# Altium PCB Sensors_PCB.PcbDoc
Units mm, origin at the board's own origin, x right, y up, seen from the top; angles counter-clockwise.
Board outline 83.19 x 60.96 mm, 2 copper layers (Top Layer, Bottom Layer); 5 components, 7 nets, 26 pads, 2 vias.
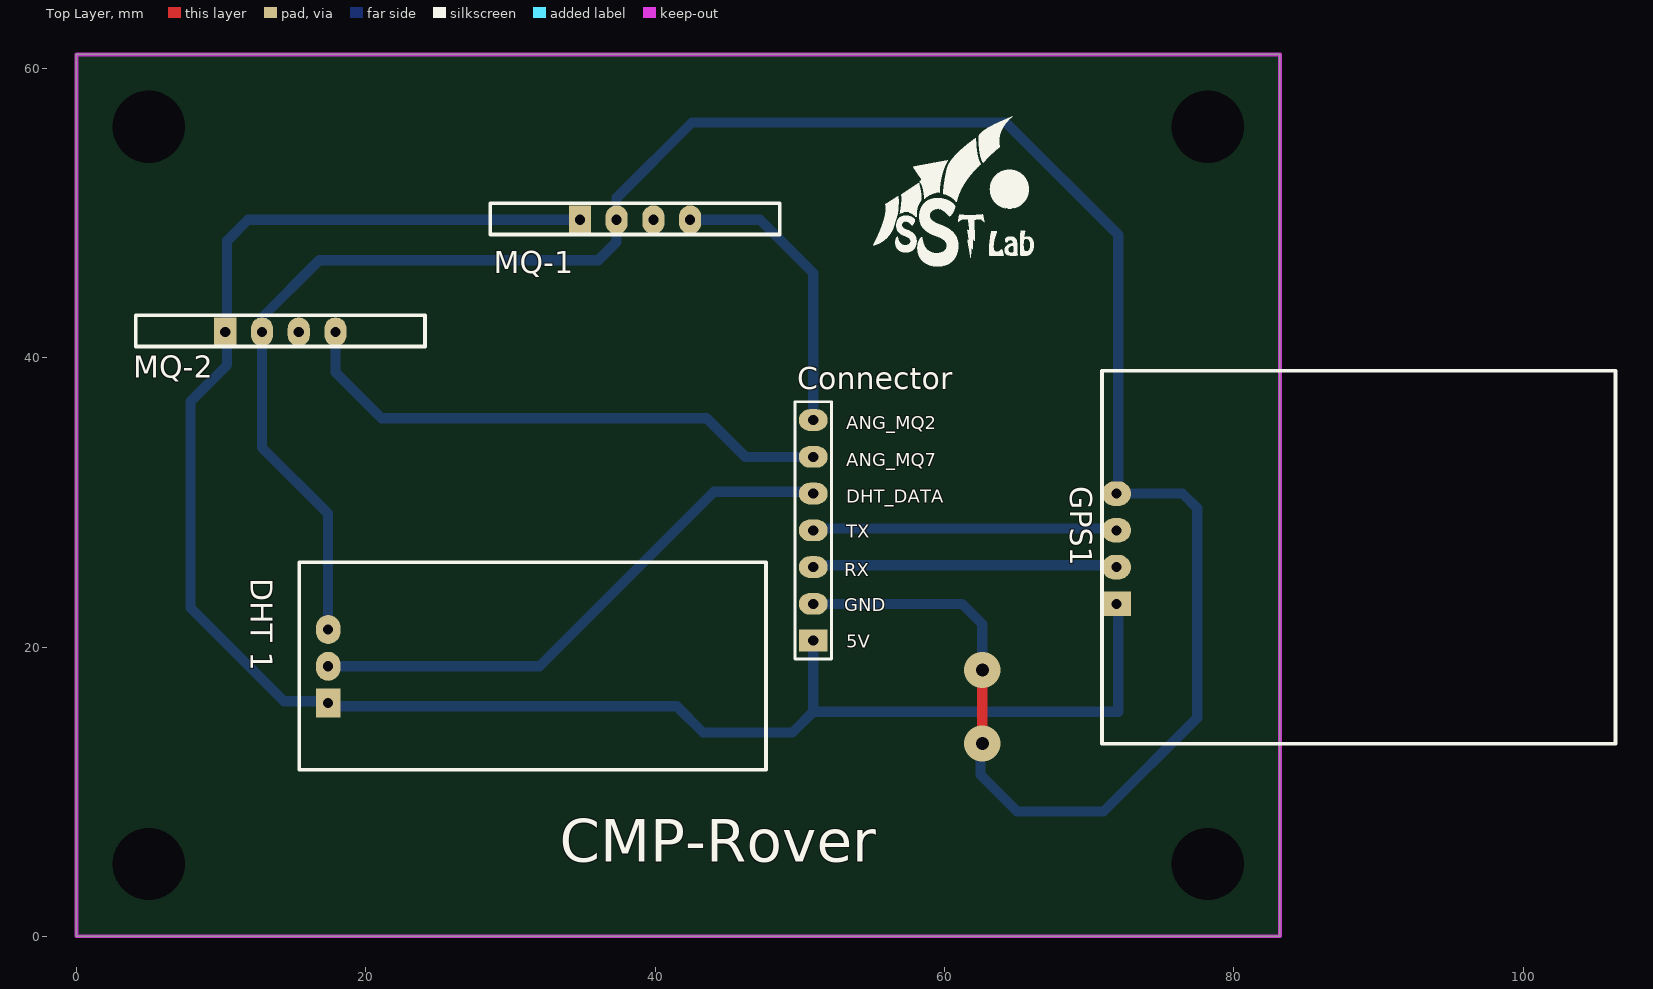
[diagram p0: Top Layer view]
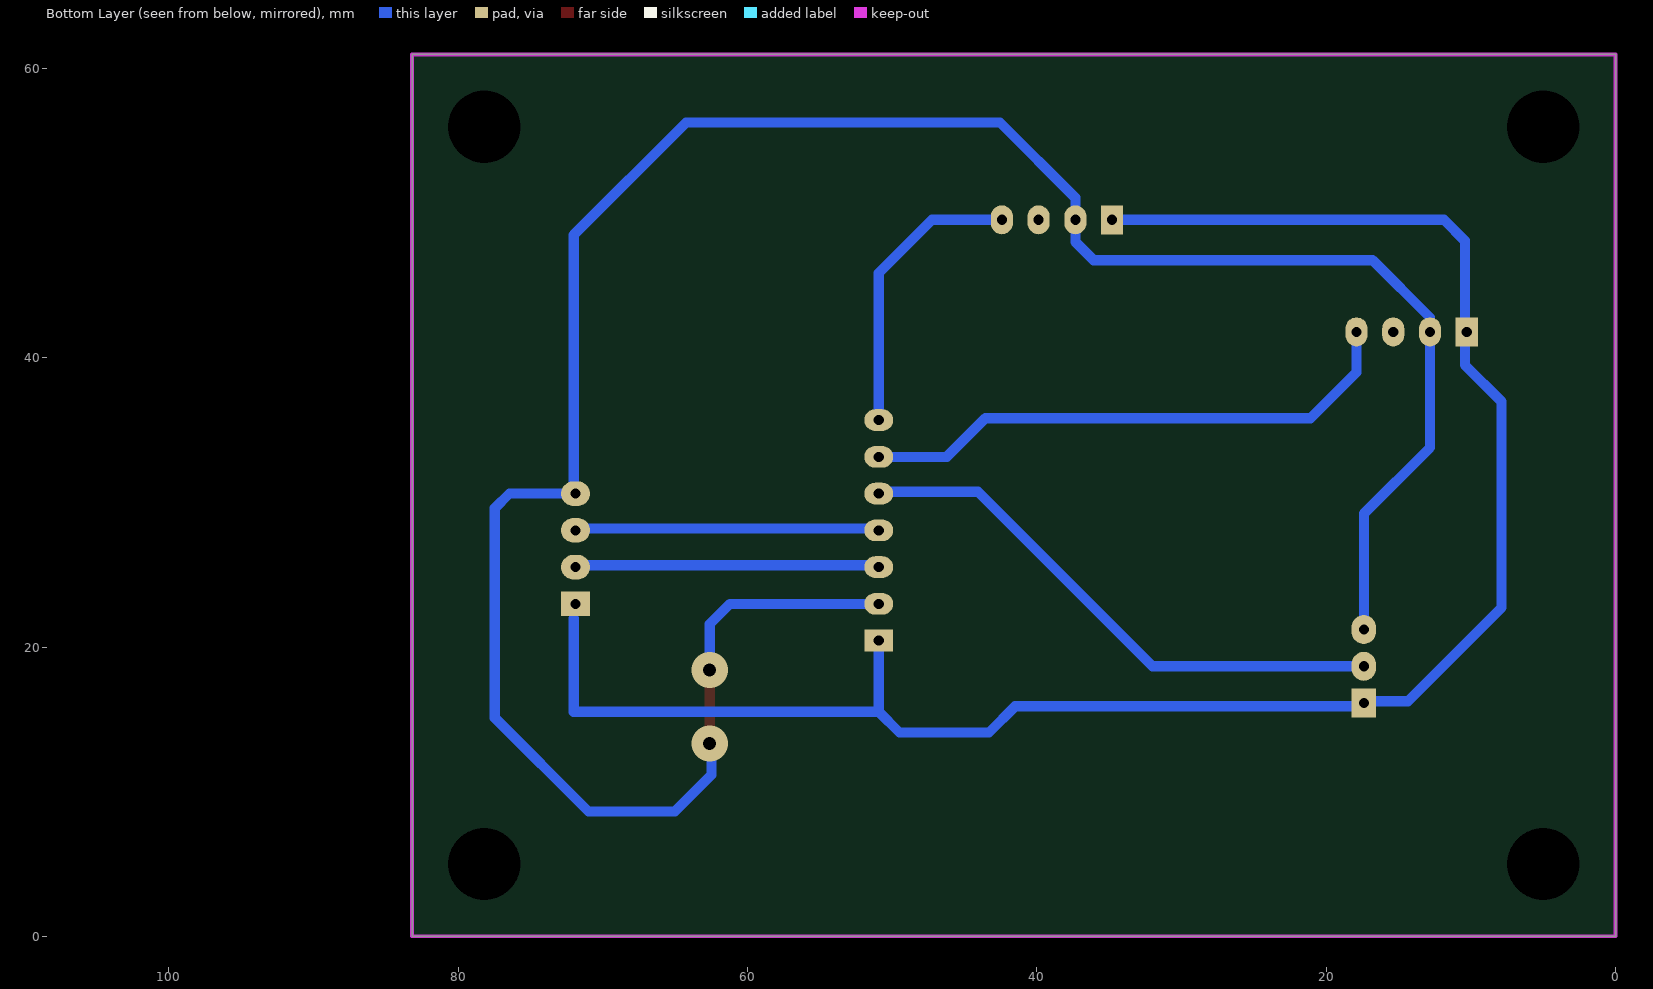
[diagram p1: Bottom Layer view, seen from below]

## Layer stack, top to bottom
Top Solder: solder mask 0.0102, Solder Resist, Dk 3.5
Top Layer: signal copper 0.0356
Dielectric 1: dielectric 0.32, FR-4, Dk 4.8
Bottom Layer: signal copper 0.0356
Bottom Solder: solder mask 0.0102, Solder Resist, Dk 3.5

## Board outline
0,0 0,60.96 83.185,60.96 83.185,0

## Design rules (kind name [scope] priority, off if disabled: settings)
Clearance [All] p1: gap=0.254 ignorepadtopadclearanceinfootprint=FALSE except(0: Arc-Hole Track-Hole SMDPad-Hole THPad-Hole Via-Hole Fill-Hole Poly-Hole Region-Hole Text-Hole; 0.5: Arc-Arc Arc-Track Arc-SMDPad Arc-THPad Track-Track Track-SMDPad Track-THPad)
Height [All] p1: minheight=0 maxheight=100 prefheight=12.7
PolygonConnect [All] p1: connectstyle=Relief reliefconductorwidth=0.254 reliefentries=4 polygonreliefangle="90 Angle" airgapwidth=0.254
RoutingVias [All] p1: holewidth=0.711 width=1.27 viastyle="Through Hole" minholewidth=0.711 minwidth=1.27 maxholewidth=0.711 maxwidth=1.27
SolderMaskExpansion [All] p1: expansion=0.102
Width [All] p1: maxlimit=1 minlimit=0.5 preferedwidth=0.7 minimp=50.000000 maximp=50.000000 favimp=50.000000
29 further rules are at their usual default settings.

## Components (designator, comment, footprint, x,y, rotation, side; value= is the part's Value field where it differs from the comment)
Connector "Header 7" HDR1X7 50.927,20.447 r90 top (schematic designator P?)
"DHT 1" "DHT" DHT 15.399,11.519 r180 top
GPS1 "GPS" GPS 70.882,39.107 r90 top
MQ-1 "MQ-7" "MQ-7 Up" 38.608,49.53 r0 top
MQ-2 "MQ-7" "MQ-7 Up" 14.097,41.783 r0 top

## Footprints (in the part's own frame and the unit in brackets; to place one, negate y for a bottom-side part, rotate by r counter-clockwise, add the part's x,y. Pads: shape width x height; smd on the part's side, far side on the other; paste and mask are expansions set on the pad)
DHT [mm]
  rect 1.7x2 hole 0.7: 9(-2,-4.61)
  oval 1.7x2 hole 0.7: 10(-2,-7.15) 11(-2,-9.69)
  silkscreen extent -32.26,-14.35 0,0, body extent -22.1,-14.73 5.59,1.27, height 6.46
GPS [mm]
  rect 1.7x2 hole 0.7: 12(-16.12,-1)
  oval 1.7x2 hole 0.7: 13(-13.58,-1) 14(-11.04,-1) 15(-8.5,-1)
  silkscreen extent -25.8,-35.5 0,0, body extent -25.02,-47.98 13.71,-0.13, height 25.61
HDR1X7 [mm] "Connector; Header; 7 Position"
  rect 1.5x2 hole 0.7: 1(0,0)
  oval 1.5x2 hole 0.7: 2(2.54,0) 3(5.08,0) 4(7.62,0) 5(10.16,0) 6(12.7,0) 7(15.24,0)
  silkscreen extent -1.27,-1.27 16.51,1.27
"MQ-7 Up" [mm]
  rect 1.524x2 hole 0.7: 43(-3.81,0)
  oval 1.524x2 hole 0.7: 44(-1.27,0) 45(1.27,0) 46(3.81,0)
  silkscreen extent -10,-1.02 10,1.14, body extent -11.18,-0.88 11.12,15.62, height 32.75

## Part data
Connector: "Header, 7-Pin", LatestRevisionDate=17-Jul-2002, LatestRevisionNote="Re-released for DXP Platform.", Publisher="Altium Limited"

## Free pads (board coordinates)
  round 1.524 hole 5: 3(5,5) 3(5,55.96) 3(78.185,5) 3(78.185,55.96)

## Via types
v1: diameter 2.5, hole 0.9, Top Layer to Bottom Layer, 2 vias

## Nets (pads, with @x,y where several pads share a name; then routed paths per layer and width w, separated by ;. In a path a pad name is that pad's centre, name@x,y a point inside that pad or via, vN(x,y) a via of type N, cw(c..) or ccw(c..) an arc to the next point about the centre after c; other vN are vias at no path point)
5: "DHT 1.9" Connector.1 GPS1.12 MQ-1.43 MQ-2.43 | length 131
  Bottom Layer w0.7: MQ-2.43 10.414,41.783 10.414,48.082 11.862,49.53 MQ-1.43 ; MQ-2.43@10.414,41.402 10.414,39.497 7.874,36.957 7.874,22.733 14.351,16.256 17.399,16.256 17.653,16.51 ; 17.399,15.907 41.497,15.907 43.307,14.097 49.498,14.097 50.927,15.526 ; Connector.1 50.927,15.526 ; 72.009,21.971 72.009,15.526 50.927,15.526
ANG_MQ2: Connector.7 MQ-1.46 | length 20.2
  Bottom Layer w0.7: MQ-1.46 47.244,49.53 50.927,45.847 Connector.7
ANG_MQ7: Connector.6 MQ-2.46 | length 38.2
  Bottom Layer w0.7: MQ-2.46 17.907,38.989 21.082,35.814 43.561,35.814 46.228,33.147 Connector.6
DHT_DATA: "DHT 1.10" Connector.5 | length 38.5
  Bottom Layer w0.7: 17.399,18.669 32.004,18.669 44.069,30.734 Connector.5@50.927,30.734
GND: "DHT 1.11" Connector.2 GPS1.15 MQ-1.44 MQ-2.44 | length 172.7
  Top Layer w0.7: v1@62.484,18.288 v1(62.611,18.415) v1(62.611,13.335)
  Bottom Layer w0.7: 17.399,21.209 17.399,29.21 12.827,33.782 MQ-2.44 12.827,42.774 16.789,46.736 36.068,46.736 37.338,48.006 MQ-1.44 37.338,51.054 42.545,56.261 64.237,56.261 72.009,48.489 GPS1.15@72.009,30.607 ; Connector.2 61.214,22.987 62.611,21.59 v1(62.611,18.415) ; v1@62.484,12.827 62.484,11.176 65.024,8.636 70.993,8.636 77.47,15.113 77.47,27.559 77.47,29.591 76.454,30.607 GPS1.15@72.009,30.607 ; GPS1.15 GPS1.15@72.009,30.607
RX: Connector.3 GPS1.13 | length 21
  Bottom Layer w0.7: Connector.3@50.927,25.654 GPS1.13@71.882,25.654
TX: Connector.4 GPS1.14 | length 20.8
  Bottom Layer w0.7: Connector.4@51.054,28.194 GPS1.14@71.882,28.194
pads on no net: MQ-1.45 MQ-2.45

## Keep-outs
Keep-Out Layer:
  the board outline again, w0.254

## Silkscreen, mask and mechanical layers (free items; w line width, h text height)
Top Overlay:
  drawing of 12 lines, arcs and shapes, not listed
  text "ANG_MQ2" at 53.213,35.052 h0.9
  text "ANG_MQ7" at 53.213,32.512 h0.9
  text "DHT_DATA" at 53.213,29.972 h0.9
  text "TX" at 53.213,27.559 h0.9
  text "RX" at 53.086,24.892 h0.9
  text "GND" at 53.086,22.479 h0.9
  text "5V" at 53.213,19.939 h0.9
  text "CMP-Rover" at 33.401,4.191 h5